# Altium PCB PCB1.PcbDoc (part 1 of 2) (continued)
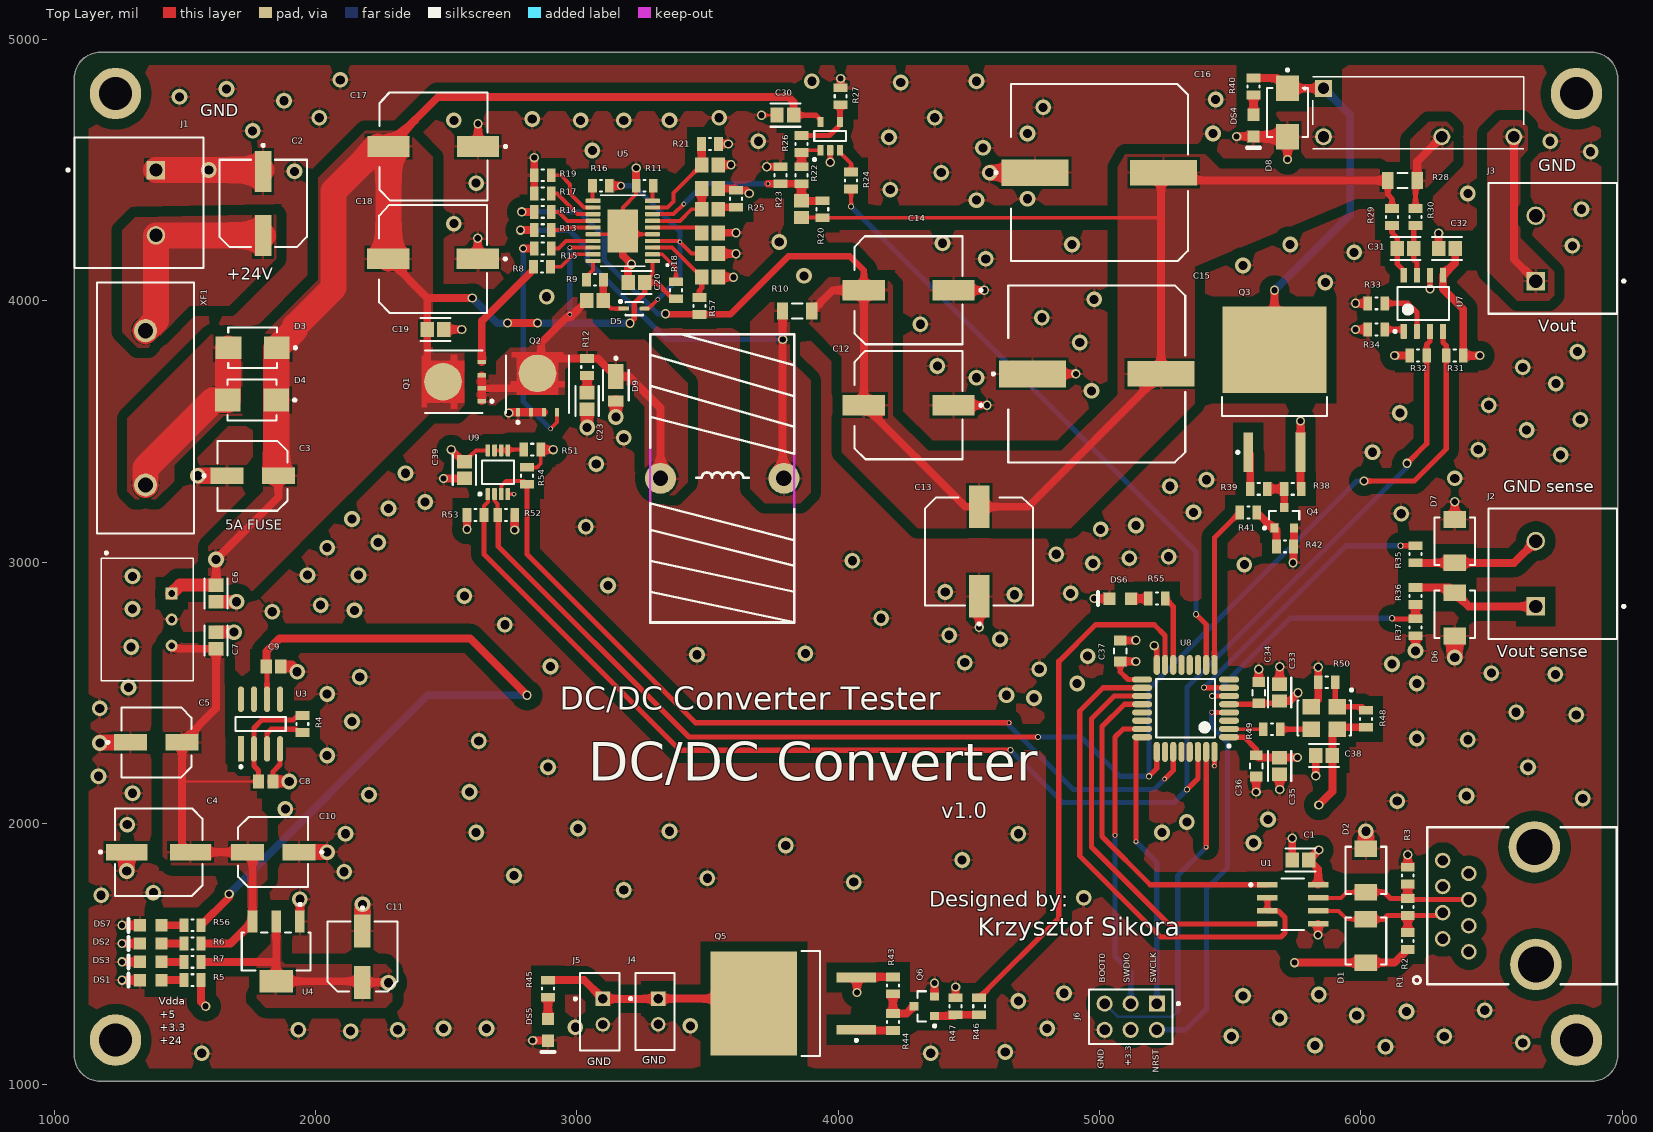
[diagram p0: Top Layer view]
## Footprints (in the part's own frame and the unit in brackets; to place one, negate y for a bottom-side part, rotate by r counter-clockwise, add the part's x,y. Pads: shape width x height; smd on the part's side, far side on the other; paste and mask are expansions set on the pad) (continued)
  silkscreen extent -1.12,-1.46 0.65,2.02, body extent -0.65,-1.46 0.65,1.46, height 1.11
PHOE-1714955_V [mm] "Terminal Block, 2-Leads, Body 12.7x12.5mm, Pitch 6.35mm"
  rect 1.8x1.8 hole 1.3: 1(-3.175,0)
  round 1.8 hole 1.3: 2(3.175,0)
  silkscreen extent -6.35,-8.67 6.35,4.6, body extent -6.92,-7.9 6.35,4.6, height 21.51
RESC2013X50X30LL20T20 [mm] "Chip Resistor, 2-Leads, Body 2.00x1.25mm, IPC High Density"
  rect 0.85x1.35 smd: 1(-0.825,0) 2(0.825,0)
  silkscreen extent -0.1,-0.58 0.1,0.58, body extent -1.1,-0.72 1.1,0.72, height 0.5
RESC3216X70X50NL05T20 [mm] "Chip Resistor, 2-Leads, Body 3.20x1.60mm, IPC Medium Density"
  rect 1.1x1.65 smd: 1(-1.425,0) 2(1.425,0)
  silkscreen extent -0.5,-0.72 0.5,0.72, body extent -1.63,-0.82 1.62,0.82, height 0.7
SOP65P640X110-21N [mm]
  rrect25% 1.44x0.41 smd: 1(-2.885,2.925) 2(-2.885,2.275) 3(-2.885,1.625) 4(-2.885,0.975) 5(-2.885,0.325) 6(-2.885,-0.325) 7(-2.885,-0.975) 8(-2.885,-1.625) 9(-2.885,-2.275) 10(-2.885,-2.925) 11(2.885,-2.925) 12(2.885,-2.275) 13(2.885,-1.625) 14(2.885,-0.975) 15(2.885,-0.325) 16(2.885,0.325) 17(2.885,0.975) 18(2.885,1.625) 19(2.885,2.275) 20(2.885,2.925)
  rect 3x4.2 smd paste-3: 21(0,0)
  silkscreen extent -4.43,-3.45 2.2,3.45, body extent -3.2,-3.25 3.2,3.25, height 0.9
STM-LQFP32_M [mm] "QFP, 32-Leads, Body 7x7mm, Pitch 0.8mm, IPC Low Density"
  oval 1.95x0.6 smd: 1(-4.225,2.8) 2(-4.225,2) 3(-4.225,1.2) 4(-4.225,0.4) 5(-4.225,-0.4) 6(-4.225,-1.2) 7(-4.225,-2) 8(-4.225,-2.8) 17(4.225,-2.8) 18(4.225,-2) 19(4.225,-1.2) 20(4.225,-0.4) 21(4.225,0.4) 22(4.225,1.2) 23(4.225,2) 24(4.225,2.8)
  oval 0.6x1.95 smd: 9(-2.8,-4.225) 10(-2,-4.225) 11(-1.2,-4.225) 12(-0.4,-4.225) 13(0.4,-4.225) 14(1.2,-4.225) 15(2,-4.225) 16(2.8,-4.225) 25(2.8,4.225) 26(2,4.225) 27(1.2,4.225) 28(0.4,4.225) 29(-0.4,4.225) 30(-1.2,4.225) 31(-2,4.225) 32(-2.8,4.225)
  silkscreen extent -4.35,-2.85 2.85,3.77, body extent -3.5,-3.5 3.5,3.5, height 1.6

## Part data
C1 C31 C32 C39: library part CMP-2007-04174-2, "General Purpose Ceramic Capacitor, 0805, 100nF, 10%, X7R, 15%, 100V", Case Code (Imperial)=0805, Case Code (Metric)=2012, Dielectric=X7R, Dielectric Material=Ceramic, Max Operating Temperature=125°C, Min Operating Temperature=-55°C, Package Quantity=2000, Tolerance=10%, Voltage=100V, Capacitance=100nF, Case/Package=0805, Construction=Flat, Contact Plating=Tin, Depth=1.25mm, Height=1.4mm, Lead Free="Lead Free", Length=2.01mm, Mount="Surface Mount", Number of Pins=2, Packaging="Tape and Reel", Radiation Hardening=No, REACH SVHC="No SVHC", RoHS Compliant=Yes, Series=-, Termination=SMD/SMT, Thickness=0.055inch, Voltage Rating=100V, Voltage Rating (DC)=100V, Width=0.049inch
C2 C4: library part CMP-05427-002128-1, "CAP ALUM 22UF 20% 50V SMD", Case/Package=Radial, Dielectric Material=Aluminium, ESR (Equivalent Series Resistance)=700mR, Leakage Current=3uA, Max Operating Temperature=105°C, Min Operating Temperature=-40°C, Package Quantity=1000, Ripple Current=120mA, Tolerance=20%, Voltage=50V, Capacitance=22uF, Construction=Cylindrical, Contact Plating=Tin, Diameter=8mm, Height=6.2mm, Height - Seated (Max)=0.244inch, Impedance=700mR, Lead Free="Lead Free", Lead Length=3.4mm, Lead Pitch=2.2mm, Length=6.5mm, Life (Hours)=1000Hour, Material=Aluminium, Mount="Surface Mount", Number of Pins=2, Packaging="Tape and Reel", Polarity=Polar, Radiation Hardening=No, Reach SVHC Compliant=Yes, Ripple Current (AC)=120mA, RoHS Compliant=Yes, Series=FC, Termination=SMD/SMT, Voltage Rating=50V, Voltage Rating (DC)=50V, Width=8.3mm
C3 C5: library part CMP-2000-06207-2, "CAP ALUM 10UF 20% 50V SMD", Case/Package=Radial, ESR (Equivalent Series Resistance)=880mR, Leakage Current=3uA, Max Operating Temperature=105°C, Min Operating Temperature=-55°C, Package Quantity=1000, Ripple Current=165mA, Tolerance=20%, Voltage=50V, Capacitance=10uF, Construction=Cylindrical, Contact Plating=Tin, Diameter=6.3mm, Height=5.8mm, Height - Seated (Max)=0.24inch, Impedance=880mR, Lead Diameter=0.65mm, Lead Free="Lead Free", Lead Pitch=1.8mm, Length=5.8mm, Life (Hours)=2000Hour, Mount="Surface Mount", Number of Pins=2, Packaging="Tape and Reel", Polarity=Polar, Radiation Hardening=No, REACH SVHC="No SVHC", Ripple Current (AC)=165mA, RoHS Compliant=Yes, Series=FK, Size=5.8mm, Termination=SMD/SMT, Voltage Rating=50V, Voltage Rating (DC)=50V, Width=7.8mm
C6 C7: library part CMP-2007-04174-2, "General Purpose Ceramic Capacitor, 0805, 10nF, 10%, X7R, 15%, 100V", Case Code (Imperial)=0805, Case Code (Metric)=2012, Dielectric=X7R, Dielectric Material=Ceramic, Max Operating Temperature=125°C, Min Operating Temperature=-55°C, Package Quantity=2000, Tolerance=10%, Voltage=100V, Capacitance=100nF, Case/Package=0805, Construction=Flat, Contact Plating=Tin, Depth=1.25mm, Height=1.4mm, Lead Free="Lead Free", Length=2.01mm, Mount="Surface Mount", Number of Pins=2, Packaging="Tape and Reel", Radiation Hardening=No, REACH SVHC="No SVHC", RoHS Compliant=Yes, Series=-, Termination=SMD/SMT, Thickness=0.055inch, Voltage Rating=100V, Voltage Rating (DC)=100V, Width=0.049inch
C8 C9: library part CMP-2007-03234-1, Manufacturer=Kemet, Part Number=C0805C105K3RACTU
C10 C11: library part CMP-2000-06207-2, "CAP ALUM 10UF 20% 50V SMD", Capacitance=10uF, Case/Package=Radial, ESR (Equivalent Series Resistance)=880mR, Leakage Current=3uA, Max Operating Temperature=105°C, Min Operating Temperature=-55°C, Package Quantity=1000, Ripple Current=165mA, Tolerance=20%, Voltage=50V, Construction=Cylindrical, Contact Plating=Tin, Diameter=6.3mm, Height=5.8mm, Height - Seated (Max)=0.24inch, Impedance=880mR, Lead Diameter=0.65mm, Lead Free="Lead Free", Lead Pitch=1.8mm, Length=5.8mm, Life (Hours)=2000Hour, Mount="Surface Mount", Number of Pins=2, Packaging="Tape and Reel", Polarity=Polar, Radiation Hardening=No, REACH SVHC="No SVHC", Ripple Current (AC)=165mA, RoHS Compliant=Yes, Series=FK, Size=5.8mm, Termination=SMD/SMT, Voltage Rating=50V, Voltage Rating (DC)=50V, Width=7.8mm
C12 C13 C14 C17 C18: library part CMP-05427-000014-1, "CAP ALUM 220UF 20% 50V SMD", Capacitance=220uF, Leakage Current=110uA, Manufacturer=Panasonic, Manufacturer Part Number=EEEFK1H221P, Package=FKG, Ripple Current=670mA, Temperature="-55°C to +105°C", Temperature Range High=+105°C, Temperature Range Low=-55°C, Tolerance=20%, Voltage Rating=50V, Automotive=Yes, Automotive Grade="Grade 2", Category=Cap, ComponentLink2Description=Datasheet, ComponentLink2URL=https://industrial.panasonic.com/cdbs/www-data/pdf/RDE0000/ABA0000C1181.pdf, Device Class L1="Passive Components", Device Class L2=Capacitors, Device Class L3="Aluminum Electrolytic Capacitors", Digikey Description="CAP ALUM 220UF 20% 50V SMD", Dissipation Factor=10%, Esr=0.18Ω, Height=10.5mm, Lead Free=Yes, Life=2000Hours, Material=Aluminum, Mouser Description="Cap Aluminum Lytic 220uF 50V 20% (10 X 10.2mm) SMD 670mA 2000h 105C Automotive T/R", Octopart=https://octopart.com/eeefk1h221p-panasonic-1332836, RoHS=TRUE
C15 C16: library part CMP-05427-002167-1, "CAP ALUM 470UF 20% 50V SMD", Capacitance=470uF, Case/Package=Radial, ESR (Equivalent Series Resistance)=73mR, Max Operating Temperature=105°C, Min Operating Temperature=-55°C, Package Quantity=125, Ratings=AEC-Q200, Ripple Current=1.61A, Tolerance=20%, Voltage=50V, Construction=Cylindrical, Diameter=16mm, Dissipation Factor=0.12%, Height=16.5mm, Height - Seated (Max)=0.669inch, Impedance=73mR, Lead Free="Lead Free", Length=16.5mm, Life (Hours)=5000Hour, Mount="Surface Mount", Packaging="Tape and Reel", Polarity=Polar, Radiation Hardening=No, Reach SVHC Compliant=Yes, Ripple Current (AC)=1.61A, RoHS Compliant=Yes, Series=FK, Termination=SMD/SMT, Voltage Rating=50V, Voltage Rating (DC)=50V
C19 C20 C23 C30: library part CMP-2007-04174-2, "General Purpose Ceramic Capacitor, 0805, 100nF, 10%, X7R, 15%, 100V", Capacitance=100nF, Case Code (Imperial)=0805, Case Code (Metric)=2012, Dielectric=X7R, Dielectric Material=Ceramic, Max Operating Temperature=125°C, Min Operating Temperature=-55°C, Package Quantity=2000, Tolerance=10%, Voltage=100V, Case/Package=0805, Construction=Flat, Contact Plating=Tin, Depth=1.25mm, Height=1.4mm, Lead Free="Lead Free", Length=2.01mm, Mount="Surface Mount", Number of Pins=2, Packaging="Tape and Reel", Radiation Hardening=No, REACH SVHC="No SVHC", RoHS Compliant=Yes, Series=-, Termination=SMD/SMT, Thickness=0.055inch, Voltage Rating=100V, Voltage Rating (DC)=100V, Width=0.049inch
C33 C35 C38: library part CMP-2007-04174-2, "General Purpose Ceramic Capacitor, 0805, 10nF, 10%, X7R, 15%, 100V", Capacitance=100nF, Case Code (Imperial)=0805, Case Code (Metric)=2012, Dielectric=X7R, Dielectric Material=Ceramic, Max Operating Temperature=125°C, Min Operating Temperature=-55°C, Package Quantity=2000, Tolerance=10%, Voltage=100V, Case/Package=0805, Construction=Flat, Contact Plating=Tin, Depth=1.25mm, Height=1.4mm, Lead Free="Lead Free", Length=2.01mm, Mount="Surface Mount", Number of Pins=2, Packaging="Tape and Reel", Radiation Hardening=No, REACH SVHC="No SVHC", RoHS Compliant=Yes, Series=-, Termination=SMD/SMT, Thickness=0.055inch, Voltage Rating=100V, Voltage Rating (DC)=100V, Width=0.049inch
C34 C36 C37: library part CMP-2000-07546-2, "Cap Ceramic 100nF 50V X7R 10% Pad SMD 0603 +125°C Automotive T/R", Case Code (Imperial)=0603, Case Code (Metric)=1608, Dielectric=X7R, Max Operating Temperature=125°C, Min Operating Temperature=-55°C, Package Quantity=1, Ratings=AEC-Q200, Tolerance=10%, Voltage=50V, Capacitance=100nF, Case/Package=0603, Composition=Ceramic, Depth=0.8mm, Height=0.8mm, Lead Free="Lead Free", Length=1.6mm, Mount="Surface Mount", Packaging="Tape and Reel", Radiation Hardening=No, REACH SVHC="No SVHC", Termination=SMD/SMT, Thickness=0.035inch, Voltage Rating=50V, Voltage Rating (DC)=50V, Weight=7.1E-05oz, Width=0.8mm
D1 D2 D6 D7: library part CMP-12225-000039-1, "TVS DIODE 28.2V 59V SMB", Breakdown Voltage=31.4V, Clamping Voltage=59V, Manufacturer=STMicroelectronics, Manufacturer Part Number=SM6T33CA, Max Junction Temp=+150°C, Package=SMB, Peak Pulse Current=68A, Peak Pulse Power=600W, Reverse Standoff Voltage=33V, Temperature="-55°C to +150°C", Temperature Range Low=-55°C, Automotive=No, Category=Diode, ComponentLink2Description=Datasheet, ComponentLink2URL=https://www.st.com/resource/en/datasheet/sm6t.pdf, Device Class L1="Circuit Protection", Device Class L2="TVS Diodes", Device Class L3=unset, Digikey Description="TVS DIODE 28.2V 59V SMB", Direction=Bidirectional, Height=2.65mm, Lead Free=Yes, Mouser Description="TVS Diodes - Transient Voltage Suppressors 600W 33V Bidirect", Number Of Channels=1, Octopart=https://octopart.com/sm6t33ca-stmicroelectronics-55399331, RoHS=TRUE, Standoff Height=0.05mm, Temperature Range High=+150°C
D3 D4 D8: library part CMP-00278-20916186-1, "MBRS130L Rectifier Diode, Schottky, 1 Phase, 1 Element, 2A, 30V V(RRM), Silicon, DO-214AA", Average Rectified Current=2A, Case/Package=SMB, Current Rating=1A, Forward Voltage=445mV, Manufacturer Lifecycle Status=OBSOLETE, Max Forward Surge Current (Ifsm)=40A, Max Junction Temperature (Tj)=125°C, Max Repetitive Reverse Voltage (Vrrm)=30V, Max Reverse Leakage Current=1mA, Min Operating Temperature=-65°C, Element Configuration=Single, Forward Current=2A, Height=2.45mm, Lead Free="Lead Free", Length=4.75mm, Lifecycle Status=Obsolete, Max Operating Temperature=125°C, Max Reverse Voltage (DC)=30V, Max Surge Current=40A, Mount="Surface Mount", NexarPartId=20916186, Number of Pins=2, Output Current=1A, Packaging="Cut Tape", Peak Non-Repetitive Surge Current=40A, Peak Reverse Current=1mA, Polarity=Standard, Radiation Hardening=No, REACH SVHC="No SVHC", RoHS=Compliant, Schedule B=8541100080, Voltage Rating (DC)=30V, Weight=180mg, Width=3.95mm
D5: library part CMP-07163-000040-1, "DIODE GEN PURP 75V 150MA SOD323F", Average Rectified Current=150mA, Forward Voltage=1V, Max Forward Surge Current (Ifsm)=2A, Max Operating Temperature=150°C, Max Repetitive Reverse Voltage (Vrrm)=75V, Min Operating Temperature=-55°C, Package Quantity=1, Peak Reverse Current=5uA, Power Dissipation=200mW, Contact Plating=Tin, Element Configuration=Single, Forward Current=150mA, Height=1mm, Lead Free="Lead Free", Length=1.8mm, Max Reverse Voltage (DC)=75V, Mount="Surface Mount", Number of Pins=2, Packaging="Tape and Reel", Radiation Hardening=No, REACH SVHC="No SVHC", Recovery Time=4ns, Reverse Recovery Time=4ns, Reverse Voltage=75V, Weight=0.0276g, Width=1.35mm
D9: library part CMP-12790-000012-1, "DIODE SCHOTTKY 150V POWERDI123", Capacitance=28pF, Forward Current=1A, Manufacturer="Diodes Inc.", Max Junction Temp=+175°C, Max Repetitive Reverse Voltage=150V, Max Surge Forward Current=50A, Package=PowerDI123, Peak Reverse Current=2uA, Temperature="-55°C to +175°C", Temperature Range Low=-55°C, Automotive=Yes, Automotive Grade="Grade 0", Category=Diode, ComponentLink2Description=Datasheet, ComponentLink2URL=https://www.diodes.com/assets/Datasheets/ds30593.pdf, Device Class L1="Discrete Semiconductors", Device Class L2=Diodes, Device Class L3="Schottky Diodes", Digikey Description="DIODE SCHOTTKY 150V POWERDI123", Footprint Url=https://www.diodes.com/assets/Package-Files/PowerDI123.pdf, Height=1mm, Lead Free=Yes, Manufacturer Part Number=DFLS1150-7, Mouser Description="Schottky Diodes & Rectifiers 1.0A 150V", Octopart=https://octopart.com/dfls1150-7-diodes+inc.-328567, Reverse Voltage=150V, RoHS=TRUE, Temperature Range High=+175°C
DS1 DS2 DS3 DS4 DS5 DS6 DS7: library part CMP-2000-05062-1, "Chip LED, Green, 2.2 V, -40 to 85 degC, 2-Pin SMD, Pb-Free, Tape and Reel", Forward Current If=20mA, Forward Voltage=2.2V, Forward Voltage VF Max=2.6V, LED Colour=Green, Manufacturer=Avago, Operating Temperature Max=85degC, Operating Temperature Min=-30degC, Operating Temperature Range=-30degCto+85degC, Opto Case Style=SMD, Package Description="2-Pin Surface Mount Device, Body 2 x 1.25 mm, Height 0.8 mm", Package Reference=HSMX-C170, Storage Temperature Min=-40degC, Bulb Size=1.25mmx1.4mm, Datasheet URL=https://datasheet.ciiva.com/29280/180495-da-01-en-chip-led-hsmg-c170-gelb-gruen-29280971.pdf, Datasheet Version=Oct-08, Dominant Wavelength=572nm, Dominant Wavelength Typ=572nm, External Depth=0.8mm, External Length / Height=2mm, External Width=1.25mm, Forward Current If Max=20mA, LED Mounting=SMD, LED Type=Standard, Lens Shape=Rectangular, Light Area Height=1mm, Luminous Intensity=15mcd, Luminous Intensity Min=4mcd, Luminous Intensity Typ=15mcd, Manufacturer URL=http://www.avagotech.com/, Mounting Type=SMD, MSL=MSL2A-4weeks, No. of Pins=2, Opto Mounting Orientation=Top, Packaging=CutTape, Peak Forward Current=20mA, Peak Wavelength=570nm, PIV Max=5V, Storage Temperature Max=85degC, SVHC=NoSVHC(16-Jun-2014), Viewing Angle=170deg, Voltage Vf Typ=2.2V, Wavelength Typ=570nm
J1 J2 J3: library part CMP-2000-05797-1, "PC Terminal Block, Pitch 6.35 mm, 1 x 2 Position, Height 21.5 mm, Tail Lenght 5.1 mm, RoHS, Bulk", Manufacturer="Phoenix Contact", Package Description="PC Terminal Block, Pitch 6.35 mm, 1 x 2 Position, Height 21.5 mm, Tail Lenght 5.1 mm", Datasheet URL=http://media.digikey.com/pdf/Data%20Sheets/Phoenix%20Contact%20PDFs/1714955.pdf, Datasheet Version=02/2010, Manufacturer URL=http://www.phoenixcontact.com/, Mounting Technology=ThroughHole, Package Reference=1714955
J4 J5: library part CMP-17439-000026-1, "CONN HEADER VERT 2POS 2.5MM", Color=Natural, Contact Resistance=20mR, Current Rating=3A, Housing Color=White, Max Operating Temperature=85°C, Max Voltage Rating (AC)=250V, Min Operating Temperature=-25°C, Connector Type=Plug, Contact Material="Copper Alloy", Contact Mating Length=0.13inch, Contact Plating=Tin, Contact Type="Male Pin", Depth=3.8mm, Fastening Type=Detent, Gender=Male, Housing Material=Nylon, Lead Free="Lead Free", Length=7.5mm, Max Current Rating=3A, Mount="Through Hole", Number of Contacts=2, Number of Positions=2, Number of Rows=1, Orientation=Straight, Packaging=Bulk, Pitch=2.5mm, Series=EH, Termination=Press-Fit, Voltage Rating=250V
J6: library part CMP-2000-06636-2, "CONN HEADER VERT 6POS 2.54MM", Current Rating=3A, Manufacturer=Harwin, Temperature="-40°C to +105°C", Temperature Range High=+105°C, Temperature Range Low=-40°C, Automotive=No, Category=Conn, ComponentLink2Description=Datasheet, ComponentLink2URL=https://cdn.harwin.com/pdfs/M20-998.pdf, Conn Gender=Male, Conn Orientation=Vertical, Contact Material=Tin,Nickel, Device Class L1=Connectors, Device Class L2="Headers and Wire Housings", Device Class L3=unset, Digikey Description="CONN HEADER VERT 6POS 2.54MM", Height=8.99mm, Lead Free=Yes, Manufacturer Part Number=M20-9980346, Mouser Description="2.54mm (0.1\") Pitch DIL Vertical PC Tail Pin Header, 6.1mm mating pin height, tin, 3+3 contacts", Number of Contacts=6, Number of Rows=2, Octopart=https://octopart.com/m20-9980346-harwin-5436545, Package=M20-9980346, Pitch=2.54mm, RoHS=TRUE
Q1 Q2: library part CMP-02550-000213-1, "MOSFET N-CH 60V 24A", Continuous Drain Current=24A, Drain To Source Breakdown Voltage=60V, Drain To Source Resistance=0.019Ω, Gate To Source Voltage=20V, Input Capacitace At Vds="980pF @ 30V", Manufacturer=Vishay, Max Forward Diode Voltage=1.2V, Max Junction Temp=+175°C, Package=T16-0221-SINGLE, Power Dissipation=45W, Pulse Drain Current=96A, Temperature="-55°C to +175°C", Temperature Range Low=-55°C, Typ Forward Diode Voltage=0.8V, Automotive=Yes, Automotive Grade="Grade 0", Category=Trans, ComponentLink2Description=Datasheet, ComponentLink2URL=http://www.vishay.com/docs/65280/sqj850ep.pdf, Depletion Mode=False, Device Class L1="Discrete Semiconductors", Device Class L2=Transistors, Device Class L3=MOSFETs, Digikey Description="MOSFET N-CH 60V 24A", Drain To Source Voltage=60V, Gate Charge At Vgs="20nC @ 10V", Height=1.267mm, Lead Free=Yes, Manufacturer Part Number=SQJ850EP-T1-GE3, Mouser Description="MOSFET 60V 24A 45W N-Ch Automotive", Number Of Channels=1, Number Of N Channels=1, Octopart=https://octopart.com/sqj850ep-t1_ge3-vishay-63675376, RoHS=TRUE, Rthja Max=70°C/W, Standoff Height=0mm, Temperature Range High=+175°C, Threshold Vgs Max=2.5V, Threshold Vgs Min=1.5V, Transconductance=29S, Turn Off Delay Time=22ns, Turn On Delay Time=21ns
Q3 Q5: library part CMP-1138-00228-1, "OptiMOS-P2 Power-Transistor, -30 V VDS, -80 A ID, PG-TO263-3-2, Reel, Green", Manufacturer=Infineon, ComponentLink1Description="Manufacturer URL", ComponentLink1URL=http://www.infineon.com/, ComponentLink2Description=Datasheet, ComponentLink2URL=http://www.infineon.com/dgdl/IPP_B_I80P03P4-05_DS_10.pdf?folderId=db3a304314dca3890114ef902baa05f9&fileId=db3a30431ddc9372011e07ef59f52807&location=en.Products.Automotive_ICs.Automotive_MOSFETs.Single__P-Channel_30V_MOSFETs.DATASHEET.IPP_B_I80P03P4-05_DS_1, ComponentLink3Description="Package Specification", ComponentLink3URL=http://www.infineon.com/dgdl/BTS141TC_DS_10.pdf?folderId=db3a3043163797a6011667aa084c0e01&fileId=db3a3043242ebc9e01242f43f58b003e&location=en.Products.Automotive_ICs.Smart_High-_and_Low-Side_Switches.HITFET___TEMPFET__-_Smart_Low-Side_Switches.DATASHEET.BT, DatasheetVersion="Rev. 1.0", Green=TRUE, Halogen-free=TRUE, ID (max)="-80 A", IDpuls (max)="-320 A", Mounting Technology="Surface Mount", PackageDescription="3-Pin Plastic (Green) Transistor Single Outline Package, 10 x 9.25 mm Body, 2.54 mm Pitch", PackageReference=PG-TO263-3-2, PackageVersion=Jul-09, Packing=Reel, PartNumber=IPB80P03P4-05, Ptot (max)="137 W", QG="100 nC", RDS (on) (max) (@10V)="4.7 mOhm", RthJC (max)="1.1 K/W", Technology=OptiMOS-P2, VDS (max)="-30 V", VGS(th) (max)="-4 V", VGS(th) (min)="-2 V"
Q4 Q6: library part CMP-1048-00662-1, "High Voltage Transistor, NPN Silicon, 3-Pin SOT-23, Pb-Free, Tape and Reel", Manufacturer="On Semiconductor", ComponentLink1Description="Manufacturer URL", ComponentLink1URL=http://www.onsemi.com/, ComponentLink2Description=Datasheet, ComponentLink2URL=http://www.onsemi.cn/pub_link/Collateral/MMBTA42LT1-D.PDF, ComponentLink3Description="Package Specification", ComponentLink3URL=http://www.onsemi.cn/pub_link/Collateral/318-08.PDF, DatasheetVersion="Rev. 12", fT Min (MHz)=50, IC Continuous (A)=0.5, Mounting Technology="Surface Mount", PackageDescription="3-Pin Small Outline Transistor, Body 2.92 x 1.3 mm, Pitch 0.95 mm", PackageReference=SOT-23-3-318-08, PackageVersion="Rev. AP, 11/2009", Packing="Tape and Reel", PartNumber=MMBTA42LT1G, Polarity=NPN, RoHS=TRUE
R1 R2 R3 R4 R5 R6 R7 R8 R9 R11 R12 R13 R14 R15 R16 R17 R18 R19 R20 R21 R22 R23 R24 R25 R26 R27 R29 R30 R31 R32 R33 R34 R35 R36 R37 R38 R39 R40 R41 R42 R43 R44 R45 R46 R47 R48 R49 R50 R51 R52 R53 R54 R55 R56 R57: library part CMP-2001-04896-1, Manufacturer="Vishay Dale", Part Number=CRCW08050000Z0EA
R10 R28: library part CMP-2003-00761-1, "Shunt resistor", Manufacturer=Panasonic, Part Number=ERJ8BSFR10V
U1: library part CMP-05679-000038-1, "IC TXRX RS485/422 10MBPS 8SOIC", Manufacturer="Maxim Integrated", Max Supply Voltage=3.6V, Min Supply Voltage=3V, Nominal Supply Current=0.95-1.1mA, Package=S8-5, Temperature="-40°C to +85°C", Temperature Range High=+85°C, Temperature Range Low=-40°C, Automotive=No, Category=IC, ComponentLink2Description=Datasheet, ComponentLink2URL=https://datasheets.maximintegrated.com/en/ds/MAX3483E-MAX3491E.pdf, Data Rate=15Mbits/s, Device Class L1="Integrated Circuits (ICs)", Device Class L2="Interface ICs", Device Class L3="RS-232 / RS-422 / RS-485 Interface ICs", Digikey Description="IC TXRX RS485/422 10MBPS 8SOIC", Footprint Url=https://pdfserv.maximintegrated.com/land_patterns/90-0096.PDF, Height=1.75mm, Interface=RS-485,RS-422, Lead Free=Yes, Manufacturer Part Number=MAX3485EESA+, Mouser Description="RS-422/RS-485 Interface IC 3.3V 12Mbps Transceiver", Number Of Receivers=1, Number Of Transmitters=1, Octopart=https://octopart.com/max3485eesa%2B-maxim+integrated-39731903, RoHS=TRUE, Simplex Duplex="Half Duplex", Standoff Height=0.1mm
U3: library part CMP-09137-000077-1, "IC VREF SERIES 0.08% 8SOIC", Case/Package=SOIC, Max Input Voltage=20V, Max Operating Temperature=70°C, Max Output Current=100mA, Max Output Voltage=3.3V, Min Operating Temperature=0°C, Operating Supply Current=70uA, Package Quantity=100, Quiescent Current=50uA, Temperature Coefficient=12ppm/°C, Tolerance=0.08%, Height=1.498mm, Lead Free="Lead Free", Length=5mm, Min Output Voltage=3.3V, Mount="Surface Mount", Number of Pins=8, Output Current=100mA, Output Type=Fixed, Output Voltage=3.3V, Packaging=Rail/Tube, REACH SVHC="No SVHC", Reference Type=Series, Reference Voltage=3.3V, RoHS Compliant=Yes, Series=-, Width=3.988mm
U4: library part CMP-00370-134324849-1, "TLV76133 1-A 16-V high-PSRR linear voltage regulator 4-SOT-223 -40 to 125", Case/Package=SOT-223, Dropout Voltage=900mV, Manufacturer Lifecycle Status=ACTIVE, Max Junction Temperature (Tj)=125°C, Max Supply Voltage=16V, Min Operating Temperature=-40°C, Min Supply Voltage=6.5V, Nominal Supply Current=65µA, Output Current=1A, Output Voltage=5V, Accuracy=1%, Height=1.8mm, Length=6.5mm, Lifecycle Status=Production, Max Operating Temperature=125°C, NexarPartId=134324849, Number Of Channels=1, Number of Outputs=1, Number of Pins=4, Thickness=1.6mm, Width=3.5mm
U7: library part CMP-0704-00006-2, "Zero-Drift, Bi-Directional Current / Power Monitor, 3 to 5.5 V, -40 to 125 degC, 8-pin SOIC (D8), Green (RoHS & no Sb/Br)", Manufacturer="Texas Instruments", Quiescent Current (+/-)(Typ)(mA)=0.7, Rating=Catalog, CMRR(Min)(dB)=100, Code_JEDEC=MS-012, Common Mode Range(Max)(V)=26, Common Mode Range(Min)(V)=0, ComponentLink1Description="Manufacturer URL", ComponentLink1URL=http://www.ti.com/, ComponentLink2Description=Datasheet, ComponentLink2URL=http://www.ti.com/general/docs/lit/getliterature.tsp?genericPartNumber=INA219&fileType=pdf, ComponentLink3Description="Package Specification", ComponentLink3URL=http://www.ti.com/lit/ml/msoi002j/msoi002j.pdf, DatasheetVersion=SBOS448F, Eco-Plan="Green (RoHS & no Sb/Br)", Gain(V/V)="1, 0.5, 0.25, 0.125", Input Offset (+/-)(Max)(uV)=100, Mounting Technology="Surface Mount", PackageDescription="8-Pin Plastic Small Outline, Body 4.9 x 3.9 mm, Pitch 1.27 mm", PackageReference=D0008A, PackageVersion="4040047-3/M, 06/2011", PartNumber=INA219AID, Small-Signal Bandwidth(Typ)(MHz)=0.011, SubFamily="Current Shunt Monitor", Vs(Max)(V)=5.5, Vs(Min)(V)=3
U8: library part CMP-0537-00040-1, "ARM Cortex-M4 32-bit MCU, 64 KB Flash, 16 KB Internal RAM, 25 I/Os, 32-Pin LQFP, -40 to 85 degC, Tray", I/Os (High Current)=25, Operating Frequency(F) (Processor speed) (MHz)=72, Package Description="32-Pin Low Profile Quad Flat Package, 7 x 7 mm Body, 0.8 mm Pitch", Package Reference=LQFP32, Supply Voltage(Vcc) min (V)=2, ComponentLink1Description="Manufacturer URL", ComponentLink1URL=http://www.st.com/, ComponentLink2Description=Datasheet, ComponentLink2URL=http://www.st.com/st-web-ui/static/active/en/resource/technical/document/datasheet/DM00092070.pdf, Core="ARM Cortex-M4", D/A Converter=3, DatasheetVersion="Rev. 4", FLASH Size (Prog) (kB)=64, Internal RAM Size (kB)=16, Mounting Technology="Surface Mount", Packing=Tray
U9: library part CMP-0066-00336-3, "Digital Temperature Sensor and Thermal Watchdog with Two-Wire Interface, 8-pin Mini SOIC, Pb-Free", Manufacturer="Texas Instruments", PackageTopMarking=ZXTT*T01B, PowerWise=N, Code_JEDEC=MO-187-AA, ComponentLink1Description="Datasheet URL", ComponentLink1URL=http://www.ti.com/general/docs/lit/getliterature.tsp?genericPartNumber=LM75B&fileType=pdf, CompType="Temp Sensor IC", PackageDescription="MINI SOIC, .118 x .118 x .034in, 8 Lead, .0256in Pitch", PackageReference=DGK0008A, PinCount=8, RoHS=Y
XF1: library part CMP-1502-00235-2, Fuse Current=10A, Max Operating Temperature=120°C, Min Operating Temperature=-30°C, Voltage Rating (AC)=250V, Height=11.6mm, Mount="Through Hole", NexarPartId=56808805, Packaging=Box, REACH SVHC=Unknown, RoHS=Non-Compliant

## Free pads (board coordinates)
  rect 45.98x45.98 / inner round 45.98 / far side rect 45.98x45.98 hole 25.98: 1(1450,2880)
  rect 51.36x57.33 smd paste+0 mask+0: 1(3038.28,4000) 1(3541.72,4090) 1(3541.72,4180) 1(3541.72,4260) 1(3541.72,4350) 1(3541.72,4430) 1(3541.72,4520) 2(3101.72,4000) 2(3478.28,4090) 2(3478.28,4180) 2(3478.28,4260) 2(3478.28,4350) 2(3478.28,4430) 2(3478.28,4520)
  round 118.11 hole 59.06: 1(3320.63,3320) 2(3793.07,3320)
  rect 57.33x51.36 smd paste+0 mask+0: 1(3860,4318.28) 2(3860,4381.72)
  rrect17% 23.62x39.37 smd: 1(3932.6,4575.87) 2(3970,4575.87) 3(4007.4,4575.87) 4(4007.4,4684.13) 5(3932.6,4684.13)
  rect 64.96x64.96 / inner round 64.96 / far side rect 64.96x64.96 hole 43.31: 1(5857.8,4812.52)
  rect 66.93x59.06 smd paste+0 mask+0: 1(5910,2446.61) 2(5810,2446.61) 3(5810,2360) 4(5910,2360)
  round 59.06 hole 39.37: 1(6413.81,1508.16) 2(6313.81,1558.16) 3(6413.81,1608.16) 4(6313.81,1658.16) 5(6413.81,1708.16) 6(6313.81,1758.16) 7(6413.81,1808.16) 8(6313.81,1858.16)
  round 45.98 hole 25.98: 2(1450,2780) 3(1450,2680)
  round 64.96 hole 43.31: 2(5857.8,4627.48) 3(6310.55,4627.48) 4(6586.14,4627.48)
  round 196.85 hole 125.98: MH1(1235.21,4792.81) MH2(6825.76,4792.81) MH3(1235.21,1170.76) MH4(6825.76,1170.76)
  round 196.85 hole 137.8: MNT2(6665,1910) MTN1(6670,1460)

## Via types
v1: diameter 60, hole 35, Top Layer to Bottom Layer, tented both sides, 199 vias
v2: diameter 35.43, hole 23.62, Top Layer to Bottom Layer, tented both sides, 77 vias
v3: diameter 17.72, hole 11.81, Top Layer to Bottom Layer, tented both sides, 15 vias
v4: diameter 23.62, hole 15.75, Top Layer to Bottom Layer, tented both sides, 10 vias
v5: diameter 30, hole 20, Top Layer to Bottom Layer, tented both sides, 2 vias

## Nets (pads, with @x,y where several pads share a name; then routed paths per layer and width w, separated by ;. In a path a pad name is that pad's centre, name@x,y a point inside that pad or via, vN(x,y) a via of type N, cw(c..) or ccw(c..) an arc to the next point about the centre after c; other vN are vias at no path point)
+3.3: C1.1 C11.2 C32.2 C35.1 C36.1 C37.1 C38.1 C39.1 D1.2 J6.4 pad.4@5910,2360 R1.2 R7.2 R31.2 R32.2 R48.2 R51.2 R52.2 R53.2 R54.2 U1.8 U4.2 U4.4 U7.5 U8.1 U8.17 U9.8 | length 14242.7
  Top Layer w15: C39.1@2570,3383.45 2613.88,3427.32 U9.8@2660,3427.32 ; R54.2@2810,3362.48 2847.48,3362.48 2862.48,3377.48 R51.2@2862.48,3430
  Top Layer w20: C37.1@5080,2619.65 5080,2580 5109.76,2550.24 U8.17@5163.66,2550.24 ; U8.1@5496.34,2329.76 5555.24,2329.76 5600,2285 C36.1@5600,2260.35
  Top Layer w30: R7.2@1562.48,1470 1840,1470 1850,1460 U4.4@1850,1395.83 ; U4.2@1850,1624.17 U4.4@1850,1395.83 ; v1(2280,1390) 2278.43,1391.57 C11.2@2180,1391.57 2175.75,1395.83 U4.4@1850,1395.83 ; v2(2520,3430) 2566.55,3383.45 C39.1@2570,3383.45 ; v2(2580,3125.34) R53.2@2580,3180 ; v2(2762.48,3122.48) R52.2@2762.48,3180 ; R51.2@2862.48,3430 v2(2910,3430) ; C37.1@5080,2619.65 v2(5139.65,2619.65) ; C36.1@5600,2260.35 5608.63,2251.72 C35.1@5690,2251.72 v2(5758.28,2251.72) ; v2(5746.93,1466.93) D1.2@6020,1466.93 6129.41,1466.93 R1.2@6180,1517.52 ; U1.8@5837.05,1765 5837.05,1824.68 C1.1@5801.72,1860 v2(5840,1898.28) ; v2(5840,2070) 5891.72,2121.72 C38.1@5891.72,2260 5891.72,2341.72 pad.4@5910,2360 5917.52,2367.52 R48.2@6020,2367.52 ; v2(6130,3790) R32.2@6187.52,3790 ; C32.2@6361.72,4200 6361.72,4144.01 U7.5@6315,4097.28 6315,4045 6392.48,3967.52 R31.2@6392.48,3790 v2(6456.11,3790)
  Mid-Layer 1 w30: v1(2280,1390) 2280,1403.15 2343.78,1466.93 ; v2(2520,3430) v2(2910,3430) 2910,3270 v2(2762.48,3122.48) 2759.62,3125.34 v2(2580,3125.34) 2350,2895.34 2350,1473.15 2343.78,1466.93 ; v2(5139.65,2619.65) 5430.35,2619.65 5758.28,2291.72 v2(5758.28,2251.72) 5760,2250 5760,2150 v2(5840,2070) ; 5350,1456.93 5360,1466.93 ; v2(6456.11,3790) v2(6130,3790) 5925,3585 5925,2155 v2(5840,2070) ; 2343.78,1466.93 5360,1466.93 ; 5360,1466.93 v2(5746.93,1466.93) 5746.93,1805.21 v2(5840,1898.28) v2(5840,2070)
  Mid-Layer 1 w50: J6.4@5120,1210 5120,1140 5140,1120 5280,1120 5350,1190 5350,1456.93
+5: C4.2 C5.2 C7.1 C8.2 C10.2 pad.3@1450,2680 R4.2 R6.2 U3.2 U4.3 | length 2457.4
  Top Layer w8: 1490,2170 1500,2160 C8.2@1782.44,2160 ; R4.2@1932.48,2412.48 R4.2@1950,2412.48
  Top Layer w20: C8.2@1782.44,2160 1782.44,2202.56 1765,2220 U3.2@1765,2285 1765,2365 1795,2395 1915,2395 R4.2@1932.48,2412.48
  Top Layer w30: pad.3@1450,2680 1461.72,2668.28 C7.1@1620,2668.28 1620,2440 C5.2@1490,2310 1490,2170 1490,1922.05 C4.2@1522.05,1890 C10.2@1740,1890 1759.45,1870.55 U4.3@1759.45,1624.17 1675.28,1540 R6.2@1562.48,1540
BOOT0: J6.5 U8.31 | length 1347.7
  Top Layer w20: v3(5408.74,1908.74) U8.31@5408.74,2273.66
  Bottom Layer w10: J6.5@5020,1310 5070,1260 5280,1260 5300,1280
  Bottom Layer w20: 5300,1280 5300,1800 v3(5408.74,1908.74)
Dir1: U1.2 U1.3 U8.18 | length 1937.4
  Top Layer w20: U8.18@5163.66,2518.74 5013.74,2518.74 4925,2430 4925,1875 5235,1565 5695,1565 5710,1580 5710,1640 5685,1665 U1.3@5642.95,1665 U1.2@5642.95,1715
ERROR_LED: R55.2 U8.14 | length 266.2
  Top Layer w20: R55.2@5252.48,2860 5282.76,2829.72 U8.14@5282.76,2606.34
FAN1: R46.1 U8.15 | length 2007.6
  Top Layer w20: R46.1@4540,1332.48 4845,1637.48 4845,2620 4985,2760 5210,2760 5251.26,2718.74 U8.15@5251.26,2606.34
FB_DAC: R24.1 U8.10 | length 2384
  Top Layer w15: v4(4050,4360) R24.1@4050,4427.52
  Top Layer w20: v4(5370,2800) 5408.74,2761.26 U8.10@5408.74,2606.34
  Bottom Layer w20: v4(4050,4360) 5370,3040 v4(5370,2800)